# KiCad board Piggyback 3v3.kicad_pcb
title: Data General Nova 1200 CPU Diagnostic; date: 2019-05-19; rev: Rev 0; company: Forgotten Machines
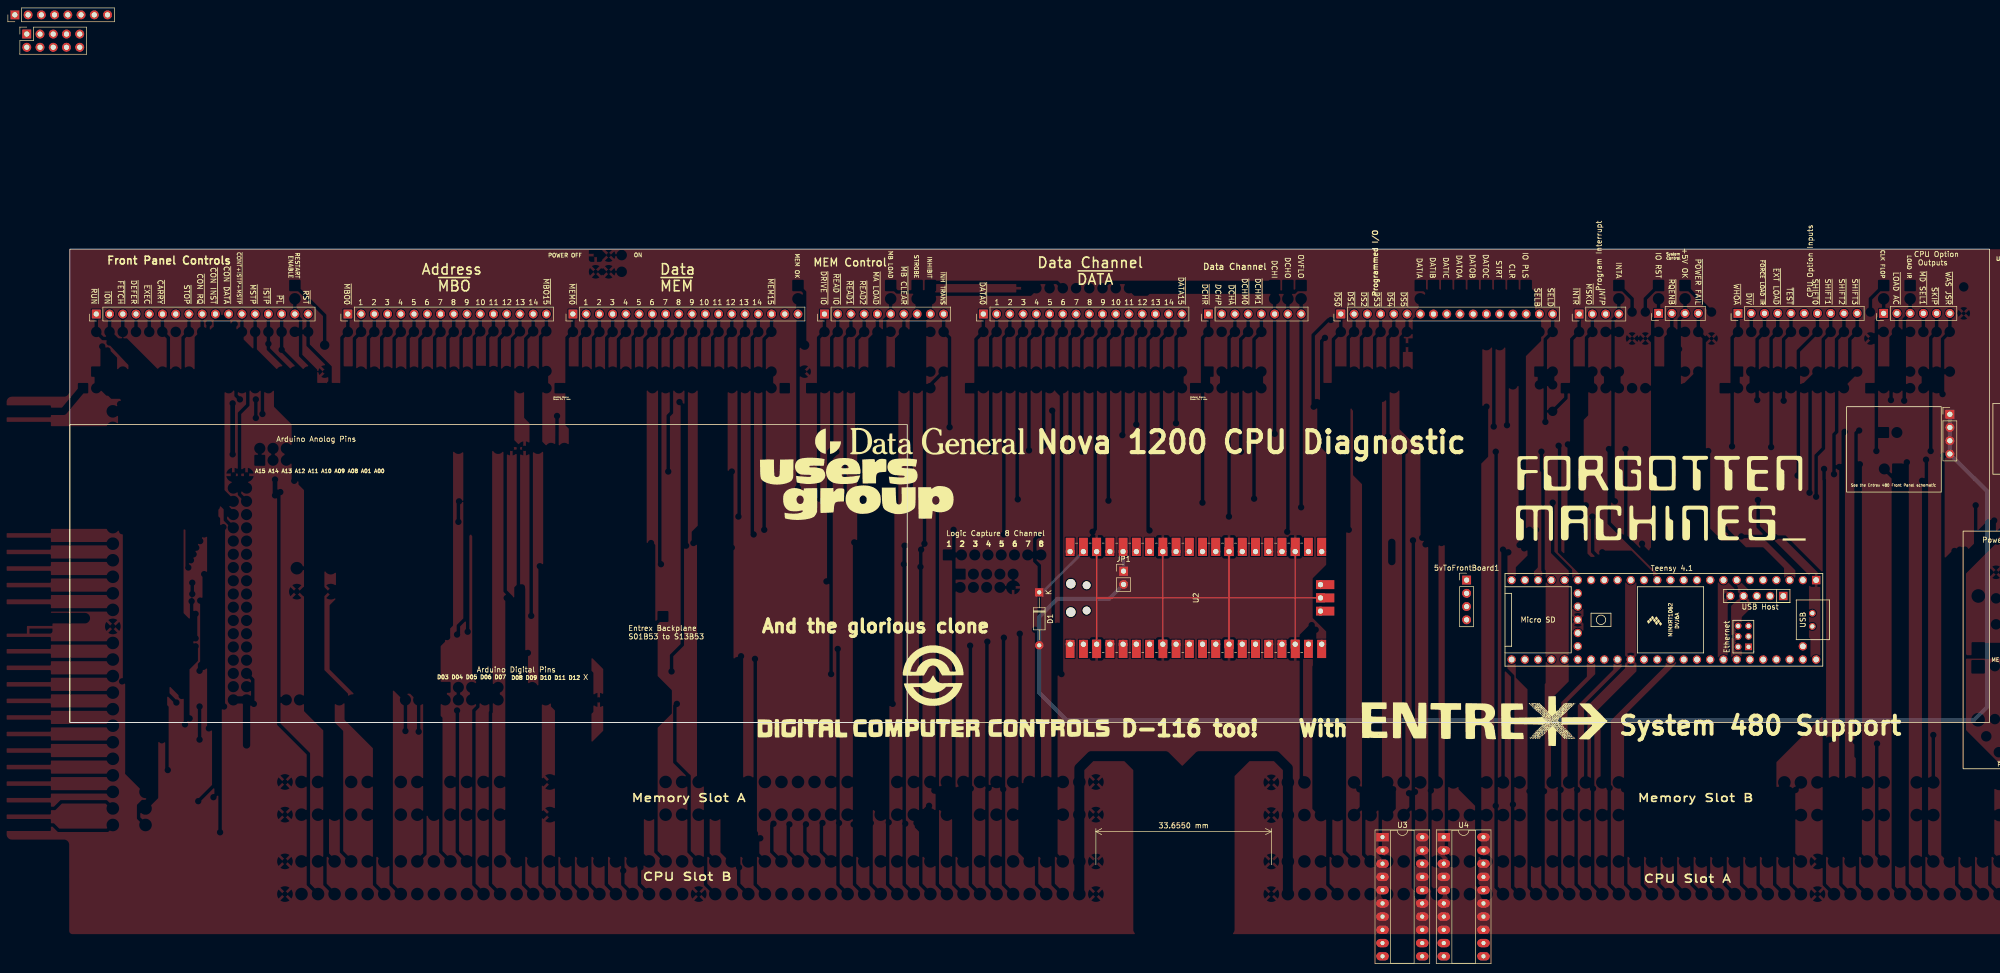
[diagram p0: board, top side]
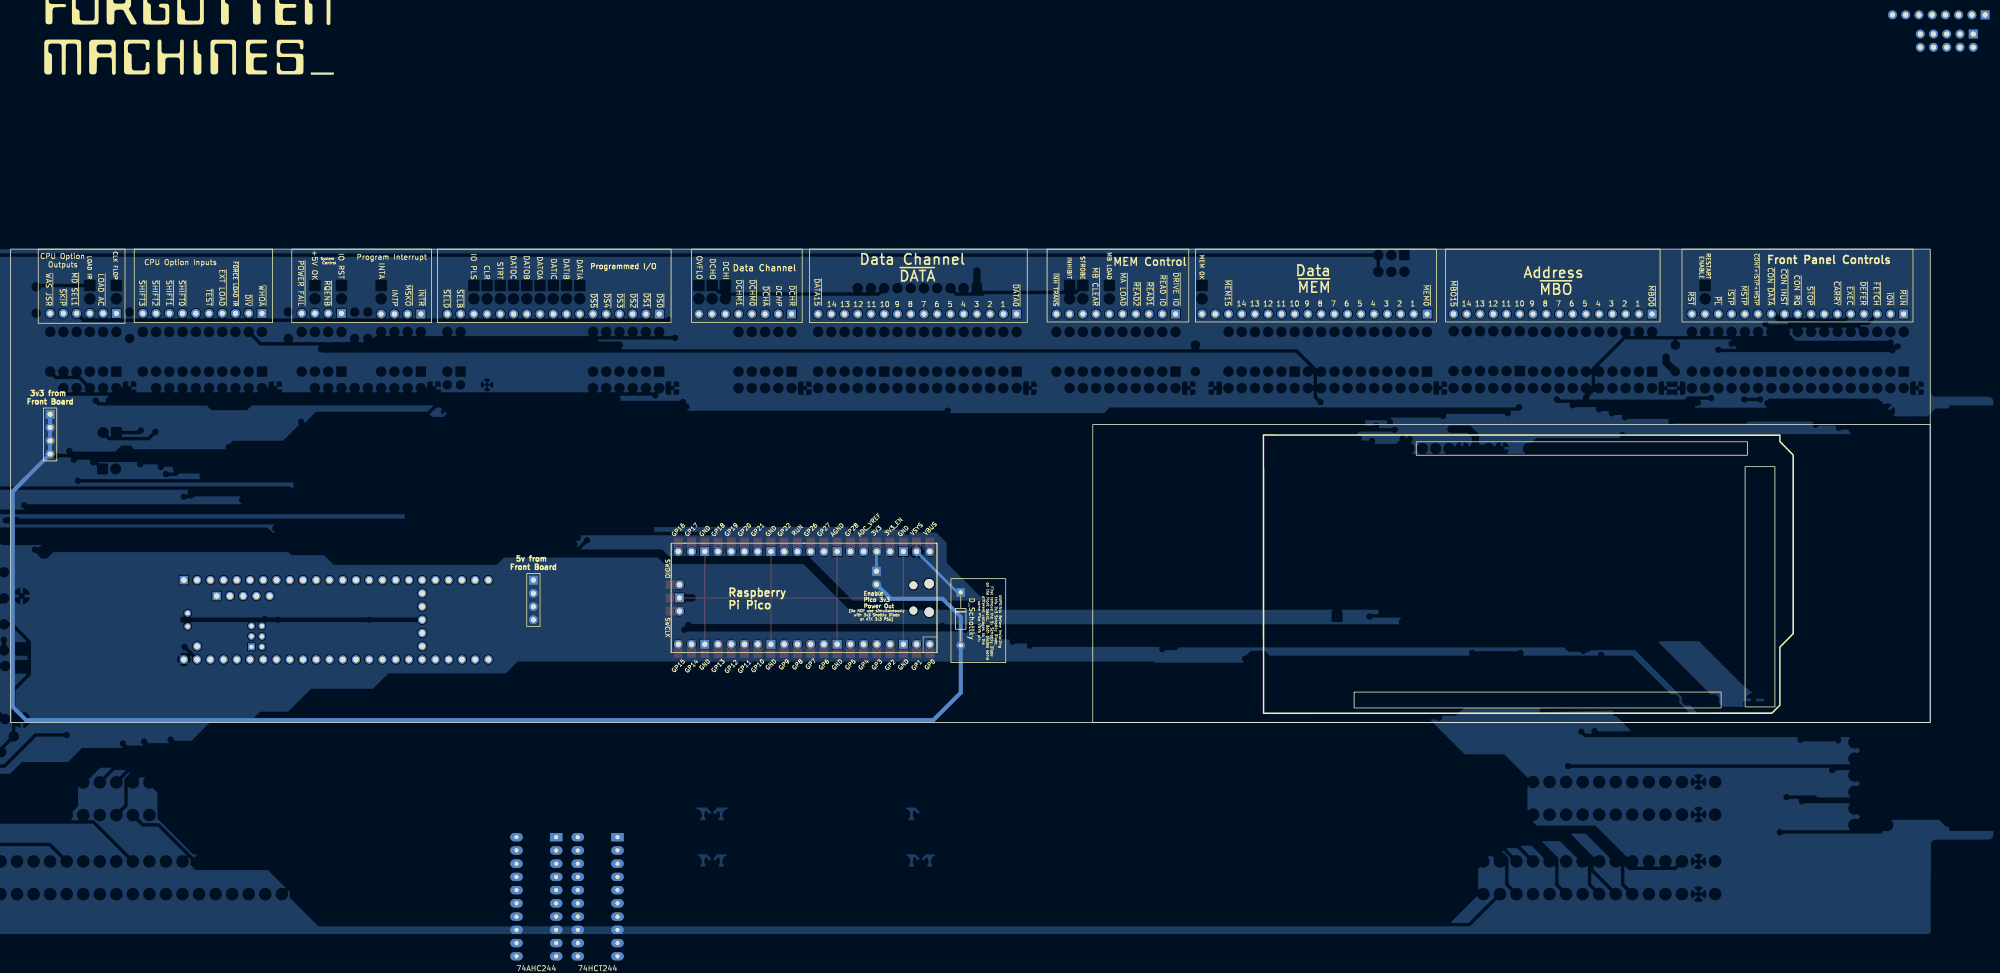
[diagram p1: board, bottom side, seen from below]

Outline 368.3 x 90.81 mm; copper layers: Top, Bottom. Coordinates in mm from the lower left corner of the outline.
Outline path: rectangle 0,90.81 368.3,0 ; rectangle 0,57.15 160.66,0
Stack: Top 0.035mm / dielectric 1.51mm FR4 er 4.5 / Bottom 0.035mm

## Placement (name value [footprint] x y rotation side)
3v1  3v3  [PinHeader_1x04_P2.54mm_Vertical]  360.68 59.12 0 top
5vToFrontBoard1  3v3  [PinHeader_1x04_P2.54mm_Vertical]  267.97 27.31 0 top
D1  D_Schottky  [D_DO-35_SOD27_P10.16mm_Horizontal]  185.99 24.95 270 top
FPIMAGE1  MountingHole  [nova frontpanel layout]  -337.19 418.46 0 top
J6  MBO  [PinHeader_1x16_P2.54mm_Vertical]  53.34 78.36 90 top
J7  MEM  [PinHeader_1x18_P2.54mm_Vertical]  96.52 78.36 90 top
J8  Data Channel  [PinHeader_1x16_P2.54mm_Vertical]  175.26 78.36 90 top
J9  Front Panel Controls  [PinHeader_1x17_P2.54mm_Vertical]  5.08 78.36 90 top
J10  Programmed I/O  [PinHeader_1x17_P2.54mm_Vertical]  243.84 78.36 90 top
J11  CPU Option Inputs  [PinHeader_1x10_P2.54mm_Vertical]  320.04 78.49 90 top
J12  Data Channel  [PinHeader_1x08_P2.54mm_Vertical]  218.44 78.36 90 top
J13  Program Interrupt  [PinHeader_1x04_P2.54mm_Vertical]  289.56 78.36 90 top
J14  System Control  [PinHeader_1x04_P2.54mm_Vertical]  304.8 78.49 90 top
J17  CPU Option Outputs  [PinHeader_1x06_P2.54mm_Vertical]  347.98 78.49 90 top
J18  MEM Control Outputs  [PinHeader_1x10_P2.54mm_Vertical]  144.78 78.36 90 top
J19  Logic 8 CH  [PinHeader_2x05_P2.54mm_Vertical - Backside]  -8.26 132.08 90 top
J20  Logic 8 CH  [PinHeader_1x08_P2.54mm_Vertical]  -10.54 135.76 90 top
JP1  Pico 3v3 Power Out  [PinHeader_1x02_P2.54mm_Vertical]  202.16 29.02 0 top
Teensy 4.1  Teensy4.1  [Teensy41]  305.82 19.69 180 top
U2  Pico  [RPi_Pico_SMD_TH - Backside Silkscreen Frontside Mount]  216.04 23.89 90 top
U3  74HCT244  [DIP-20_W7.62mm_Socket_LongPads]  251.84 -22.03 0 top
U4  74AHC244  [DIP-20_W7.62mm_Socket_LongPads]  263.59 -22.03 0 top

## Library data of the parts
3v1 5vToFrontBoard1 J13 J14 = -: Description: Generic connector, single row, 01x04, script generated (kicad-library-utils/schlib/autogen/connector/)
D1 = -: Description: Schottky diode
J6 J8 = -: Description: Generic connector, single row, 01x16, script generated (kicad-library-utils/schlib/autogen/connector/)
J7 = -: Description: Generic connector, single row, 01x18, script generated (kicad-library-utils/schlib/autogen/connector/)
J9 J10 = -: Description: Generic connector, single row, 01x17, script generated (kicad-library-utils/schlib/autogen/connector/)
J11 J18 = -: Description: Generic connector, single row, 01x10, script generated (kicad-library-utils/schlib/autogen/connector/)
J12 J20 = -: Description: Generic connector, single row, 01x08, script generated (kicad-library-utils/schlib/autogen/connector/)
J17 = -: Description: Generic connector, single row, 01x06, script generated (kicad-library-utils/schlib/autogen/connector/)
J19 = -: Description: Generic connector, double row, 02x05, odd/even pin numbering scheme (row 1 odd numbers, row 2 even numbers), script generated (kicad-library-utils/schlib/autogen/connector/)
JP1 = -: Description: Jumper, 2-pole, open
U3 U4 = -: Description: 8-bit Buffer/Line Driver 3-state

## Footprints (pads in the part's own frame, mm; a bottom-side part is the same pattern mirrored in y, then rotated)
D_DO-35_SOD27_P10.16mm_Horizontal
  rect 1.6x1.6 hole 0.8: 1(0,0)
  oval 1.6x1.6 hole 0.8: 2(10.16,0)
DIP-20_W7.62mm_Socket_LongPads
  rect 2.4x1.6 hole 0.8: 1(0,0)
  oval 2.4x1.6 hole 0.8: 2(0,-2.54) 3(0,-5.08) 4(0,-7.62) 5(0,-10.16) 6(0,-12.7) 7(0,-15.24) 8(0,-17.78) 9(0,-20.32) 10(0,-22.86) 11(7.62,-22.86) 12(7.62,-20.32) 13(7.62,-17.78) 14(7.62,-15.24) 15(7.62,-12.7) 16(7.62,-10.16) 17(7.62,-7.62) 18(7.62,-5.08) 19(7.62,-2.54) 20(7.62,0)
PinHeader_1x02_P2.54mm_Vertical
  rect 1.7x1.7 hole 1: 1(0,0)
  oval 1.7x1.7 hole 1: 2(0,-2.54)
PinHeader_1x04_P2.54mm_Vertical
  rect 1.7x1.7 hole 1: 1(0,0)
  oval 1.7x1.7 hole 1: 2(0,-2.54) 3(0,-5.08) 4(0,-7.62)
PinHeader_1x06_P2.54mm_Vertical
  rect 1.7x1.7 hole 1: 1(0,0)
  oval 1.7x1.7 hole 1: 2(0,-2.54) 3(0,-5.08) 4(0,-7.62) 5(0,-10.16) 6(0,-12.7)
PinHeader_1x08_P2.54mm_Vertical
  rect 1.7x1.7 hole 1: 1(0,0)
  oval 1.7x1.7 hole 1: 2(0,-2.54) 3(0,-5.08) 4(0,-7.62) 5(0,-10.16) 6(0,-12.7) 7(0,-15.24) 8(0,-17.78)
PinHeader_1x10_P2.54mm_Vertical
  rect 1.7x1.7 hole 1: 1(0,0)
  oval 1.7x1.7 hole 1: 2(0,-2.54) 3(0,-5.08) 4(0,-7.62) 5(0,-10.16) 6(0,-12.7) 7(0,-15.24) 8(0,-17.78) 9(0,-20.32) 10(0,-22.86)
PinHeader_1x16_P2.54mm_Vertical
  rect 1.7x1.7 hole 1: 1(0,0)
  oval 1.7x1.7 hole 1: 2(0,-2.54) 3(0,-5.08) 4(0,-7.62) 5(0,-10.16) 6(0,-12.7) 7(0,-15.24) 8(0,-17.78) 9(0,-20.32) 10(0,-22.86) 11(0,-25.4) 12(0,-27.94) 13(0,-30.48) 14(0,-33.02) 15(0,-35.56) 16(0,-38.1)
PinHeader_1x17_P2.54mm_Vertical
  rect 1.7x1.7 hole 1: 1(0,0)
  oval 1.7x1.7 hole 1: 2(0,-2.54) 3(0,-5.08) 4(0,-7.62) 5(0,-10.16) 6(0,-12.7) 7(0,-15.24) 8(0,-17.78) 9(0,-20.32) 10(0,-22.86) 11(0,-25.4) 12(0,-27.94) 13(0,-30.48) 14(0,-33.02) 15(0,-35.56) 16(0,-38.1) 17(0,-40.64)
PinHeader_1x18_P2.54mm_Vertical
  rect 1.7x1.7 hole 1: 1(0,0)
  oval 1.7x1.7 hole 1: 2(0,-2.54) 3(0,-5.08) 4(0,-7.62) 5(0,-10.16) 6(0,-12.7) 7(0,-15.24) 8(0,-17.78) 9(0,-20.32) 10(0,-22.86) 11(0,-25.4) 12(0,-27.94) 13(0,-30.48) 14(0,-33.02) 15(0,-35.56) 16(0,-38.1) 17(0,-40.64) 18(0,-43.18)
PinHeader_2x05_P2.54mm_Vertical - Backside
  rect 1.7x1.7 hole 1: 1(0,0)
  oval 1.7x1.7 hole 1: 2(-2.54,0) 3(0,-2.54) 4(-2.54,-2.54) 5(0,-5.08) 6(-2.54,-5.08) 7(0,-7.62) 8(-2.54,-7.62) 9(0,-10.16) 10(-2.54,-10.16)
RPi_Pico_SMD_TH - Backside Silkscreen Frontside Mount
  oval 1.8x1.8 hole 1.8 unplated: (-2.725,24) (2.725,24)
  oval 1.5x1.5 hole 1.5 unplated: (-2.425,20.97) (2.425,20.97)
  oval 1.7x1.7 hole 1.02: 1(-8.89,24.13) 2(-8.89,21.59) 4(-8.89,16.51) 5(-8.89,13.97) 6(-8.89,11.43) 7(-8.89,8.89) 9(-8.89,3.81) 10(-8.89,1.27) 11(-8.89,-1.27) 12(-8.89,-3.81) 14(-8.89,-8.89) 15(-8.89,-11.43) 16(-8.89,-13.97) 17(-8.89,-16.51) 19(-8.89,-21.59) 20(-8.89,-24.13) 21(8.89,-24.13) 22(8.89,-21.59) 24(8.89,-16.51) 25(8.89,-13.97) 26(8.89,-11.43) 27(8.89,-8.89) 29(8.89,-3.81) 30(8.89,-1.27) 31(8.89,1.27) 32(8.89,3.81) 34(8.89,8.89) 35(8.89,11.43) 36(8.89,13.97) 37(8.89,16.51) 39(8.89,21.59) 40(8.89,24.13) 41(-2.54,-23.9) 43(2.54,-23.9)
  rect 3.5x1.7 smd: 1(-8.89,24.13) 2(-8.89,21.59) 3(-8.89,19.05) 4(-8.89,16.51) 5(-8.89,13.97) 6(-8.89,11.43) 7(-8.89,8.89) 8(-8.89,6.35) 9(-8.89,3.81) 10(-8.89,1.27) 11(-8.89,-1.27) 12(-8.89,-3.81) 13(-8.89,-6.35) 14(-8.89,-8.89) 15(-8.89,-11.43) 16(-8.89,-13.97) 17(-8.89,-16.51) 18(-8.89,-19.05) 19(-8.89,-21.59) 20(-8.89,-24.13) 21(8.89,-24.13) 22(8.89,-21.59) 23(8.89,-19.05) 24(8.89,-16.51) 25(8.89,-13.97) 26(8.89,-11.43) 27(8.89,-8.89) 28(8.89,-6.35) 29(8.89,-3.81) 30(8.89,-1.27) 31(8.89,1.27) 32(8.89,3.81) 33(8.89,6.35) 34(8.89,8.89) 35(8.89,11.43) 36(8.89,13.97) 37(8.89,16.51) 38(8.89,19.05) 39(8.89,21.59) 40(8.89,24.13)
  rect 1.7x1.7 hole 1.02: 3(-8.89,19.05) 8(-8.89,6.35) 13(-8.89,-6.35) 18(-8.89,-19.05) 23(8.89,-19.05) 28(8.89,-6.35) 33(8.89,6.35) 38(8.89,19.05) 42(0,-23.9)
  rect 1.7x3.5 smd: 41(-2.54,-23.9) 42(0,-23.9) 43(2.54,-23.9)
Teensy41
  rect 1.6x1.6 hole 1.1: 1(-29.21,-7.62) 55(-22.911,-4.569)
  round 1.6 hole 1.1: 2(-26.67,-7.62) 3(-24.13,-7.62) 4(-21.59,-7.62) 5(-19.05,-7.62) 6(-16.51,-7.62) 7(-13.97,-7.62) 8(-11.43,-7.62) 9(-8.89,-7.62) 10(-6.35,-7.62) 11(-3.81,-7.62) 12(-1.27,-7.62) 13(1.27,-7.62) 14(3.81,-7.62) 15(6.35,-7.62) 16(8.89,-7.62) 17(11.43,-7.62) 18(13.97,-7.62) 19(16.51,-7.62) 20(19.05,-7.62) 21(21.59,-7.62) 22(24.13,-7.62) 23(26.67,-7.62) 24(29.21,-7.62) 25(29.21,7.62) 26(26.67,7.62) 27(24.13,7.62) 28(21.59,7.62) 29(19.05,7.62) 30(16.51,7.62) 31(13.97,7.62) 32(11.43,7.62) 33(8.89,7.62) 34(6.35,7.62) 35(3.81,7.62) 36(1.27,7.62) 37(-1.27,7.62) 38(-3.81,7.62) 39(-6.35,7.62) 40(-8.89,7.62) 41(-11.43,7.62) 42(-13.97,7.62) 43(-16.51,7.62) 44(-19.05,7.62) 45(-21.59,7.62) 46(-24.13,7.62) 47(-26.67,7.62) 48(-29.21,7.62) 49(-26.67,5.08) 50(16.51,-5.08) 51(16.51,-2.54) 52(16.51,0) 53(16.51,2.54) 54(16.51,5.08) 56(-20.371,-4.569) 57(-17.831,-4.569) 58(-15.291,-4.569) 59(-12.751,-4.569)
  rect 1.3x1.3 hole 0.8: 60(-16.24,5.182)
  round 1.3 hole 0.8: 61(-16.24,3.182) 62(-16.24,1.182) 63(-14.24,1.182) 64(-14.24,3.182) 65(-14.24,5.182) 66(-28.48,1.27) 67(-28.48,-1.27)

## Nets
+3v3: 3v1.1 3v1.2 3v1.3 3v1.4 D1.2 JP1.2 U3.20 U4.20
+5V: 5vToFrontBoard1.1 5vToFrontBoard1.2 5vToFrontBoard1.3 5vToFrontBoard1.4 Teensy 4.1.48
+5V OK: J14.3
GND: J19.10 Teensy 4.1.1 Teensy 4.1.34 Teensy 4.1.47 Teensy 4.1.52 Teensy 4.1.58 Teensy 4.1.59 Teensy 4.1.64 U2.3 U2.8 U2.13 U2.18 U2.23 U2.28 U2.33 U2.38 U2.42 U3.10 U4.10
CLK FLOP: J17.1
CLR: J10.14
DATIA: J10.7
DATIB: J10.8
DATIC: J10.9
DATOA: J10.10
DATOB: J10.11
DATOC: J10.12
DCHI: J12.6
DCHO: J12.7
INHIBIT: J18.9
INTA: J13.4
IO PLS: J10.15
IO RST: J14.1
LOAD IR: J17.3
Logic1: J19.1 J20.1
Logic2: J19.2 J20.2
Logic3: J19.3 J20.3
Logic4: J19.4 J20.4
Logic5: J19.5 J20.5
Logic6: J19.6 J20.6
Logic7: J19.7 J20.7
Logic8: J19.8 J20.8
MB LOAD: J18.6
MEM OK: J7.18
OVFLO: J12.8
PICO_OUT_ENA_N: U2.16
RESTART ENABLE: J9.16
STROBE: J18.8
STRT: J10.13
UART_RX: U2.2
UART_TX: U2.1
~{CARRY}: J9.6
~{CON DATA}: J9.11
~{CON INST}: J9.10
~{CON RQ}: J9.9
~{CONT+ISTP+MSTP}: J9.12
~{DATA0}: J8.1
~{DATA1}: J8.2
~{DATA2}: J8.3
~{DATA3}: J8.4
~{DATA4}: J8.5
~{DATA5}: J8.6
~{DATA6}: J8.7
~{DATA7}: J8.8
~{DATA8}: J8.9
~{DATA9}: J8.10
~{DATA10}: J8.11
~{DATA11}: J8.12
~{DATA12}: J8.13
~{DATA13}: J8.14
~{DATA14}: J8.15
~{DATA15}: J8.16
~{DCHA}: J12.3
~{DCHM0}: J12.4
~{DCHM1}: J12.5
~{DCHR}: J12.1
~{DEFER}: J9.4
~{DIV}: J11.2
~{DRIVE IO}: J18.1
~{DS0}: J10.1
~{DS1}: J10.2
~{DS2}: J10.3
~{DS3}: J10.4
~{DS4}: J10.5
~{DS5}: J10.6
~{EXEC}: J9.5
~{EXT LOAD}: J11.4
~{FETCH}: J9.3
~{FORCE LOAD IR}: J11.3
~{INH TRANS}: J18.10
~{INTR}: J13.1
~{ION}: J9.2
~{ISTP}: J9.14
~{LOAD AC}: J17.2
~{MA LOAD}: J18.5
~{MB CLEAR}: J18.7
~{MBO0}: J6.1
~{MBO1}: J6.2
~{MBO2}: J6.3
~{MBO3}: J6.4
~{MBO4}: J6.5
~{MBO5}: J6.6
~{MBO6}: J6.7
~{MBO7}: J6.8
~{MBO8}: J6.9
~{MBO9}: J6.10
~{MBO10}: J6.11
~{MBO11}: J6.12
~{MBO12}: J6.13
~{MBO13}: J6.14
~{MBO14}: J6.15
~{MBO15}: J6.16
~{MD SEL1}: J17.4
~{MEM0}: J7.1
~{MEM1}: J7.2
~{MEM2}: J7.3
~{MEM3}: J7.4
~{MEM4}: J7.5
~{MEM5}: J7.6
~{MEM6}: J7.7
~{MEM7}: J7.8
~{MEM8}: J7.9
~{MEM9}: J7.10
~{MEM10}: J7.11
~{MEM11}: J7.12
~{MEM12}: J7.13
~{MEM13}: J7.14
~{MEM14}: J7.15
~{MEM15}: J7.16
~{MSKO}: J13.2
~{MSTP}: J9.13
~{PL}: J9.15
~{POWER FAIL}: J14.4
~{READ1}: J18.3
~{READ2}: J18.4
~{READ IO}: J18.2
~{RQENB}: J14.2
~{RST}: J9.17
~{RUN}: J9.1
~{SELB}: J10.16
~{SELD}: J10.17
~{SHIFT0}: J11.7
~{SHIFT1}: J11.8
~{SHIFT2}: J11.9
~{SHIFT3}: J11.10
~{SKIP}: J17.5
~{STOP}: J9.8
~{TEST}: J11.5
~{WAS JSR}: J17.6
~{WHOA}: J11.1
Net-(D1-K): D1.1 U2.39
Net-(JP1-A): JP1.1 U2.36

Pads without a net: J7 17; J9 7; J11 6; J12 2; J13 3; J19 9; Teensy 4.1 2 3 4 5 6 7 8 9 10 11 12 13 14 15 16 17 18 19 20 21 22 23 24 25 26 27 28 29 30 31 32 33 35 36 37 38 39 40 41 42 43 44 45 46 49 50 51 53 54 55 56 57 60 61 62 63 65 66 67; U2 4 5 6 7 9 10 11 12 14 15 17 19 20 21 22 24 25 26 27 29 30 31 32 34 35 37 40 41 43; U3 1 2 3 4 5 6 7 8 9 11 12 13 14 15 16 17 18 19; U4 1 2 3 4 5 6 7 8 9 11 12 13 14 15 16 17 18 19

## Routing (per net, layer and track width the routed paths; a pad name or vN(x,y) marks a point on that pad's centre or on a via; arc(x,y) is an arc through that point)
+3v3: length 281
  Bottom w0.75: 365.41,46.78 3v1.4 3v1.3 3v1.2 3v1.1 ; 365.41,46.78 367.85,44.33 367.85,2.99 365.31,0.45 191.24,0.45 185.99,5.7 D1.2 185.99,20.25 189.46,23.72 199.41,23.72 JP1.2 ; 365.41,46.78 367.86,44.33
GND: length 114.1
  Top w0.25: U2.33 U2.8 ; U2.42 197.03,23.89 196.99,23.92 ; 196.99,23.92 U2.3 ; 196.99,23.92 U2.38 ; U2.23 U2.18 ; U2.13 U2.28
Net-(D1-K): length 11.7
  Bottom w0.5: D1.1 186.63,24.95 U2.39
Net-(JP1-A): length 3.8
  Bottom w0.25: 202.16,32.69 U2.36
  Bottom w0.5: JP1.1 202.16,32.69

## Copper pours and planes (outline as drawn; the poured copper is in the pictures)
+5V on Bottom: -12.45,95 -13.84,-82.8 431.17,-84.58 430.4,100.08 -12.45,95.12
GND on Top: -13.84,97.41 -13.84,-74.68 426.34,-76.2 423.42,96.27

## Text on the board
B.Silkscreen: WARNING: Before installing / this 3v3 Schottky Diode, / First remove the 5v Schottky Diode / on the front board.  Both diodes serve / different voltages to the / same Pico VSYS pin. | (Do NOT use simultaneously / with 3v3 Shottky Diode / or ATX 3v3 PSU) | System / Control | ~{CONT+ISTP+MSTP} | ~{FORCE LOAD IR} | CLK FLOP | LOAD IR | Enable / Pico 3v3 / Power Out | RESTART / ENABLE | MEM OK | MB LOAD | STROBE | INHIBIT | ~{INH TRANS} | ~{RUN} | ~{ION} | ~{FETCH} | ~{DEFER} | ~{EXEC} | ~{CARRY} | ~{STOP} | ~{CON RQ} | ~{CON INST} | ~{CON DATA} | ~{MSTP} | ~{ISTP} | ~{PL} | ~{RST} | ~{MBO0} | ~{MBO15} | ~{MEM0} | ~{MEM15} | ~{DRIVE IO} | ~{READ IO} | ~{READ1} | ~{READ2} | ~{MA LOAD} | ~{MB CLEAR} | ~{DATA0} | ~{DATA15} | ~{DCHR} | ~{DCHA} | ~{DCHM0} | ~{DCHM1} | DCHI | DCHO | OVFLO | ~{DS0} | ~{DS1} | ~{DS2} | ~{DS3} | ~{DS4} | ~{DS5} | DATIA | DATIB | DATIC | DATOA | DATOB | DATOC | STRT | CLR | IO PLS | ~{SELB} | ~{SELD} | ~{INTR} | ~{MSKO} | INTA | IO RST | ~{RQENB} | +5V OK | ~{POWER FAIL} | ~{WHOA} | ~{DIV} | ~{EXT LOAD} | ~{TEST} | ~{SHIFT0} | ~{SHIFT1} | ~{SHIFT2} | ~{SHIFT3} | ~{LOAD AC} | ~{MD SEL1} | ~{SKIP} | ~{WAS JSR} | DCHP | INTP | CPU Option / Outputs | Program Interrupt | CPU Option Inputs | 1 | 2 | 3 | 4 | 5 | 6 | 7 | 8 | 9 | 10 | 11 | 12 | 13 | 14 | Programmed I/O | 5v from / Front Board | 3v3 from / Front Board | Data Channel | MEM Control | Raspberry / Pi Pico | Front Panel Controls | Address / ~{MBO} | Data Channel / ~{DATA} | Data / ~{MEM}
F.Silkscreen: or Bipass Ammeter, depending on your preference | Resistor Blocks / Share Pin 1 Hole | See the Entrex 480 Front Panel schematic | System / Control | GND | 5v | A15 A14 A13 A12 A11 A10 A09 A08 A01 A00 | ~{CONT+ISTP+MSTP} | +5V OK | POWER OFF | ON | MEM OK | ~{POWER FAIL} | +5V OK / MEM OK / ~{POWER FAIL} | ~{POWER FAIL} / MEM OK / +5V OK | ~{FORCE LOAD IR} | CLK FLOP | LOAD IR | Use Garlic Press from Backside→ | D03 D04 D05 D06 D07 | D08 D09 D10 D11 D12 | RESTART / ENABLE | MB LOAD | STROBE | INHIBIT | ~{INH TRANS} | Arduino Anolog Pins | 1 | 2 | 3 | 4 | 5 | 6 | 7 | 8 | 9 | 10 | Arduino Digital Pins | 11 | 12 | 13 | 14 | X | Entrex Backplane / S01B53 to S13B53 | Logic Capture 8 Channel | CPU Option / Outputs | Power-Up Signal Manager | ↑ | ↓ | ~{RUN} | ~{ION} | ~{FETCH} | ~{DEFER} | ~{EXEC} | ~{CARRY} | ~{STOP} | ~{CON RQ} | ~{CON INST} | ~{CON DATA} | ~{MSTP} | ~{ISTP} | ~{PL} | ~{RST} | ~{MBO0} | ~{MBO15} | ~{MEM0} | ~{MEM15} | ~{DRIVE IO} | ~{READ IO} | ~{READ1} | ~{READ2} | ~{MA LOAD} | ~{MB CLEAR} | ~{DATA0} | ~{DATA15} | ~{DCHR} | ~{DCHA} | ~{DCHM0} | ~{DCHM1} | DCHI | DCHO | OVFLO | ~{DS0} | ~{DS1} | ~{DS2} | ~{DS3} | ~{DS4} | ~{DS5} | DATIA | DATIB | DATIC | DATOA | DATOB | DATOC | STRT | CLR | IO PLS | ~{SELB} | ~{SELD} | ~{INTR} | ~{MSKO} | INTA | IO RST | ~{RQENB} | ~{WHOA} | ~{DIV} | ~{EXT LOAD} | ~{TEST} | ~{SHIFT0} | ~{SHIFT1} | ~{SHIFT2} | ~{SHIFT3} | ~{LOAD AC} | ~{MD SEL1} | ~{SKIP} | ~{WAS JSR} | DCHP | INTP | 1  2  3  4  5  6  7  8 | Data Channel | +3v3 | MEM Control | Front Panel Controls | Memory Slot A | CPU Slot B | Memory Slot B | CPU Slot A | Address / ~{MBO} | Data / ~{MEM} | Data Channel / ~{DATA} | And the glorious clone | D-116 too! | With | System 480 Support | Nova 1200 CPU Diagnostic
